# Altium PCB project_pankov_control_board.PcbDoc (part 1 of 2) (continued)
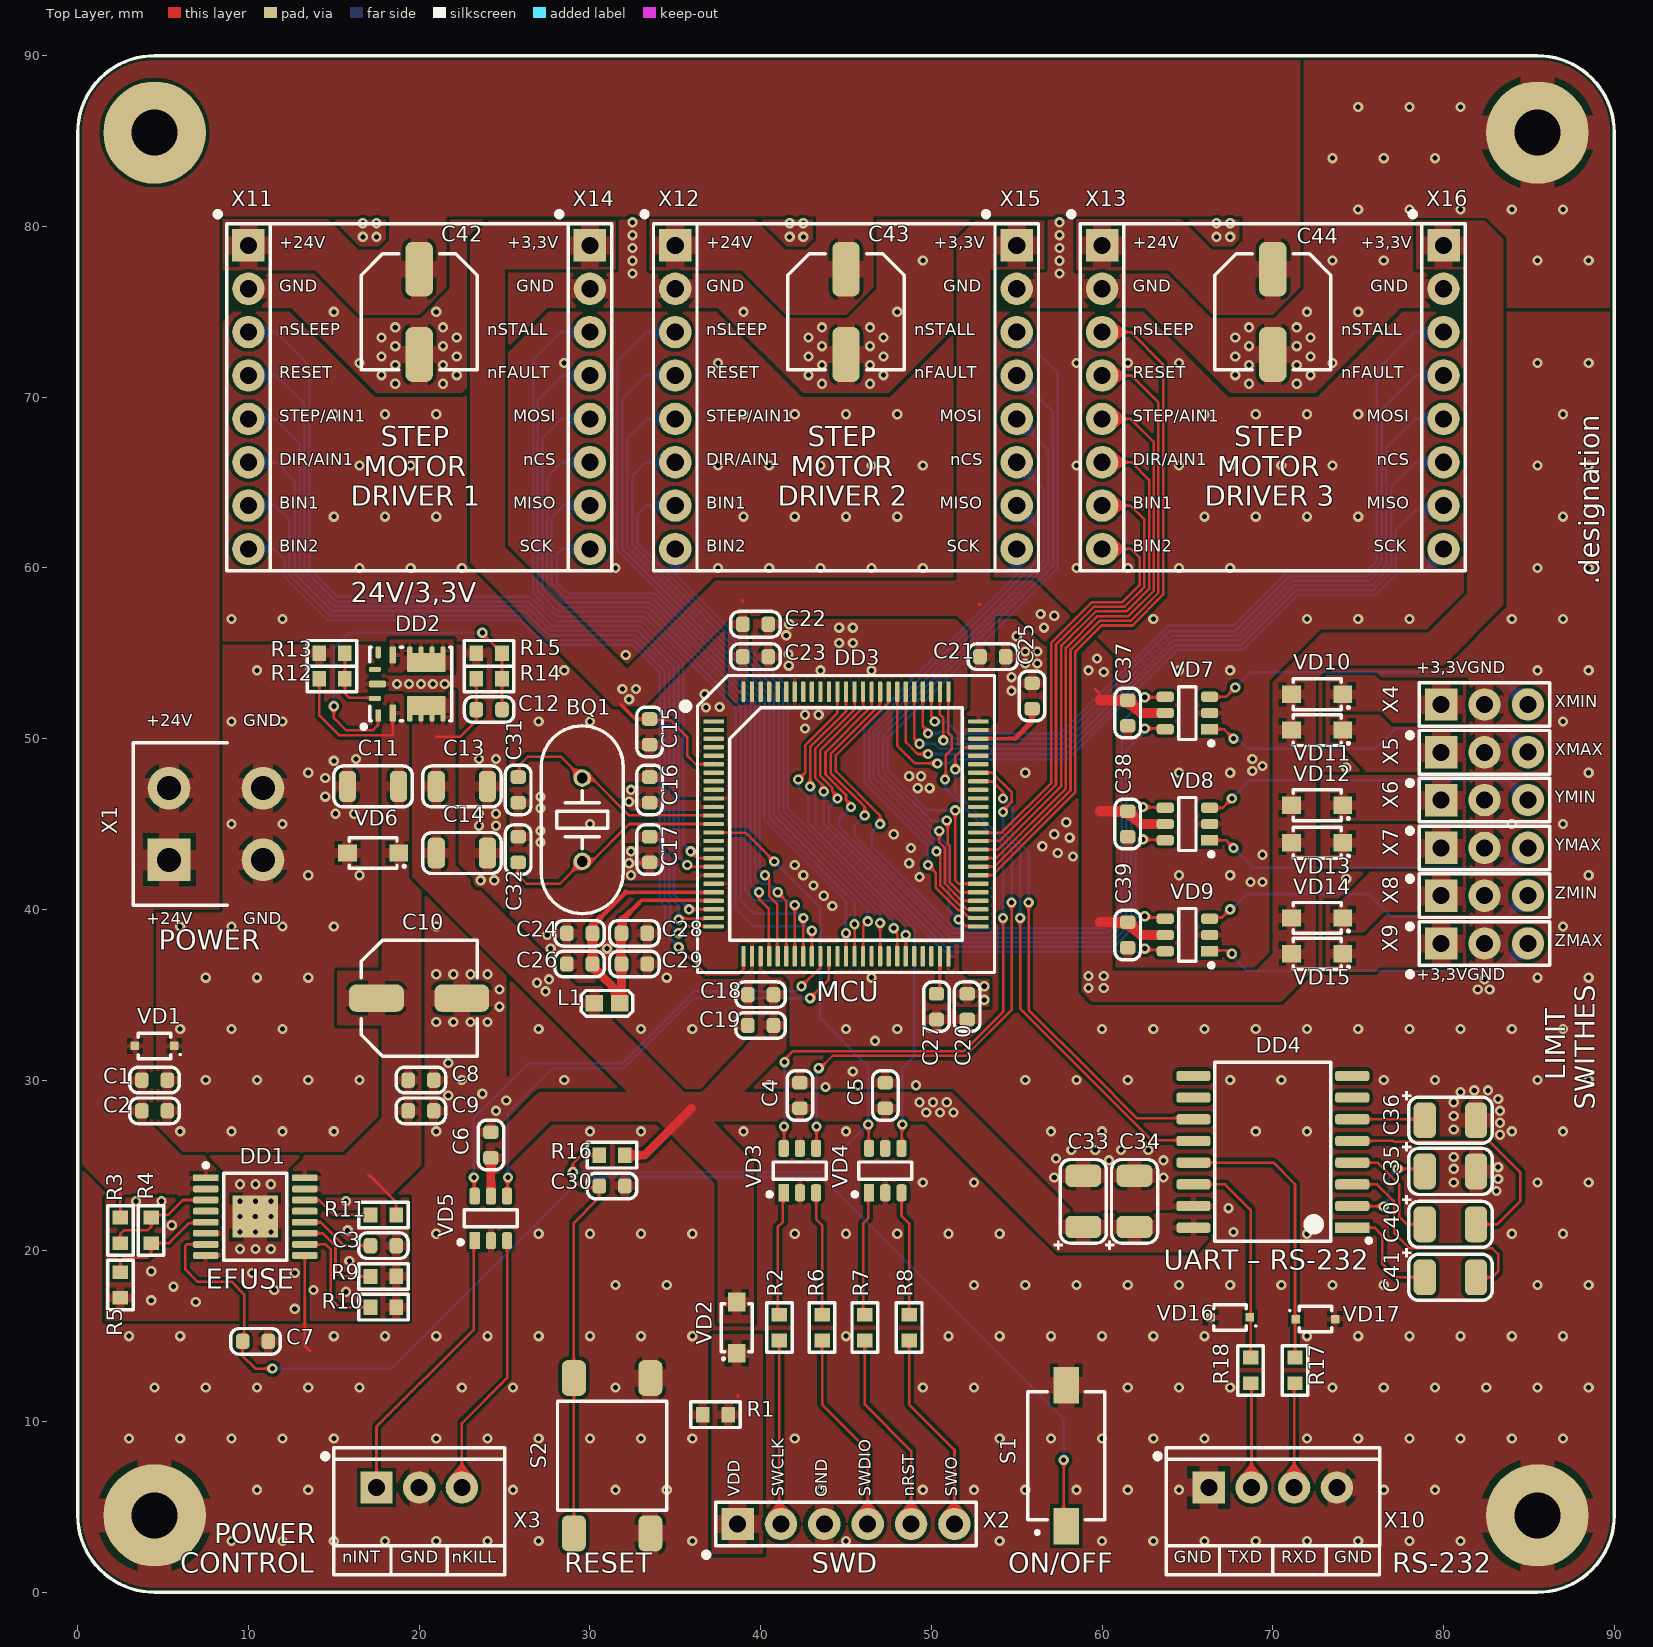
[diagram p0: Top Layer view]
## Design rules (kind name [scope] priority, off if disabled: settings) (continued)
PolygonConnect poly_connect_to_pad<=3 [(AsMM(PadXSize_AllLayers)<=3.01)or(AsMM(PadYSize_AllLayers)<=3.01)] p14: thpad.connectstyle=Relief thpad.reliefconductorwidth=1.6 thpad.reliefentries=4 thpad.polygonreliefangle="90 Angle" thpad.airgapwidth=0.3 smdpad.connectstyle=Relief smdpad.reliefconductorwidth=1.8 smdpad.reliefentries=4 smdpad.polygonreliefangle="90 Angle" smdpad.airgapwidth=0.2 via.connectstyle=Direct via.reliefconductorwidth=0.254 via.reliefentries=4 via.polygonreliefangle="90 Angle" via.airgapwidth=0.254 // Правила подключения полигонов для падов от 3мм и меньше
PolygonConnect poly_connect_to_pad<=7 [(AsMM(PadXSize_AllLayers)<7.01)or(AsMM(PadYSize_AllLayers)<=7.01)] p15: thpad.connectstyle=Relief thpad.reliefconductorwidth=2 thpad.reliefentries=4 thpad.polygonreliefangle="90 Angle" thpad.airgapwidth=0.4 smdpad.connectstyle=Relief smdpad.reliefconductorwidth=2 smdpad.reliefentries=4 smdpad.polygonreliefangle="90 Angle" smdpad.airgapwidth=0.3 via.connectstyle=Direct via.reliefconductorwidth=0.254 via.reliefentries=4 via.polygonreliefangle="90 Angle" via.airgapwidth=0.254 // Правила подключения полигонов для падов от 7мм и меньше
PolygonConnect poly_connect_to_pad [All] p16: thpad.connectstyle=Relief thpad.reliefconductorwidth=0.25 thpad.reliefentries=4 thpad.polygonreliefangle="90 Angle" thpad.airgapwidth=0.2 smdpad.connectstyle=Relief smdpad.reliefconductorwidth=0.25 smdpad.reliefentries=4 smdpad.polygonreliefangle="90 Angle" smdpad.airgapwidth=0.2 via.connectstyle=Direct via.reliefconductorwidth=0.25 via.reliefentries=4 via.polygonreliefangle="90 Angle" via.airgapwidth=0.2 // Правила подключения полигонов общие
RoutingCorners [All] p1 off: cornerstyle=45-Degree minsetback=2.5 maxsetback=2.5
RoutingVias [All] p1: holewidth=0.3 width=0.6 viastyle="Through Hole" minholewidth=0.3 minwidth=0.6 maxholewidth=5.9 maxwidth=6.4
SilkToSilkClearance silk_to_silk_clearance_std [All] p1 off: silktosilkclearance=0.15 // Отступ текста шелкографии от других примитивов шелкографии
SilkToSolderMaskClearance silk_to_solder_mask_clearance_std [IsPad] p1 off: minsilkscreentomaskgap=0.15 clearancetoexposedcopper=FALSE // Минимальное расстояние между элементами шелкографии и вскрытой медью
SolderMaskExpansion solder_mask_expansion_std [All] p1: expansion=0.05 // Припуск паяльной масски
UnRoutedNet [All] p1: checkbadconnections=TRUE
Width width_18um_std [All] p1: maxlimit=10 minlimit=0.125 preferedwidth=0.15 checkconnectedcopper=TRUE // Ширина проводников (общая)
19 further rules are at their usual default settings.

## Components (designator, comment, footprint, x,y, rotation, side; value= is the part's Value field where it differs from the comment)
BQ1 "ECS-120-20-4X" HC-49/US 29.55,45.25 r90 top
C1 "0,1 мк" C0603 4.5,30 r0 top
C2 "1 мк" C0603 4.5,28.2 r0 top
C3 "2,2 мк" C0603 17.9,20.3 r0 top
C4 "0,1 мк" C0603 42.3,29.1 r90 top
C5 "0,1 мк" C0603 47.3,29.1 r90 top
C6 "0,1 мк" C0603 24.2,26.2 r90 top
C7 "0,1 мк" C0603 10.41,14.7 r0 top
C8 "0,1 мк" C0603 20.1,30 r0 top
C9 "1 мк" C0603 20.1,28.2 r0 top
C10 "100 мк" CAPAE-660X660X800 20,34.8 r0 top
C11 "10 мк" C1206 17.3,47.2 r180 top
C12 "100" C0603 24.1,51.7 r0 top
C13 "47 мк" C1206 22.5,47.2 r0 top
C14 "47 мк" C1206 22.5,43.3 r0 top
C15 "1 мк" C0603 33.5,50.4 r270 top
C16 "0,1 мк" C0603 33.5,47 r90 top
C17 "0,1 мк" C0603 33.5,43.5 r90 top
C18 "0,1 мк" C0603 40,35 r180 top
C19 "0,1 мк" C0603 40,33.2 r180 top
C20 "0,1 мк" C0603 52.1,34.3 r270 top
C21 "0,1 мк" C0603 53.6,54.8 r0 top
C22 "0,1 мк" C0603 39.7,56.7 r0 top
C23 "0,1 мк" C0603 39.7,54.8 r0 top
C24 "1 мк" C0603 29.4,38.6 r180 top
C25 "2,2 мк" C0603 55.9,52.5 r90 top
C26 "0,01 мк" C0603 29.4,36.8 r180 top
C27 "2,2 мк" C0603 50.3,34.3 r270 top
C28 "1 мк" C0603 32.6,38.6 r0 top
C29 "0,01 мк" C0603 32.6,36.8 r0 top
C30 "0,1 мк" C0603 31.3,23.8 r0 top
C31 "20" C0603 25.8,47 r90 top
C32 "20" C0603 25.8,43.5 r270 top
C33 "1 мк" C3216-18 58.9,22.9 r90 top
C34 "0,1 мк" C3216-18 61.9,22.9 r90 top
C35 "0,1 мк" C3216-18 80.4,24.65 r0 top
C36 "0,1 мк" C3216-18 80.4,27.65 r0 top
C37 "0,1 мк" C0603 61.5,51.5 r270 top
C38 "0,1 мк" C0603 61.5,45 r270 top
C39 "0,1 мк" C0603 61.5,38.5 r270 top
C40 "0,1 мк" C3216-18 80.4,21.55 r0 top
C41 "0,1 мк" C3216-18 80.4,18.45 r0 top
C42 "100 мк" CAPAE-660X660X800 20,75 r270 top
C43 "100 мк" CAPAE-660X660X800 45,75 r270 top
C44 "100 мк" CAPAE-660X660X800 70,75 r270 top
DD1 "TPS26400PWPR" HTSSOP-16-P65-500X440X120-L63X25-T246X266 10.4,22 r0 top
DD2 "TPSM84209RKHT" QFN-FCMOD-9-P65-450X400X210 19.5,53.2 r90 top
DD3 "STM32F407VGT6" LQFP-100-P50-1400X1400X160-L60X22 45,45 r0 top
DD4 "MAX3232CDW" SOIC-16-P127-1030X750X265-L84X41 70,25.8 r180 top
L1 "BLM18KG221SH1D" BLM-2-0603 31,34.5 r180 top
R1 "10 к" R0603 37.35,10.4 r0 top
R2 "22" R0603 41.1,15.5 r90 top
R3 "270 к" R0603 2.5,21.2 r90 top
R4 "2,4 к" R0603 4.3,21.2 r90 top
R5 "13 к" R0603 2.5,18 r90 top
R6 "22" R0603 43.6,15.5 r90 top
R7 "22" R0603 46.1,15.5 r90 top
R8 "22" R0603 48.7,15.5 r90 top
R9 "24 к" R0603 17.9,18.5 r180 top
R10 "51 к" R0603 17.9,16.7 r180 top
R11 "10 к" R0603 17.9,22.1 r0 top
R12 "270 к" R0603 14.9,53.5 r180 top
R13 "16 к" R0603 14.9,55 r0 top
R14 "10 к" R0603 24.1,53.5 r180 top
R15 "2,2 к" R0603 24.1,55 r0 top
R16 "10 к" R0603 31.3,25.6 r0 top
R17 "22" R0603 71.3,13 r90 top
R18 "22" R0603 68.7,13 r90 top
S1 "SDA01H1SBD" SDA01H1SBD 57.9,8 r90 top
S2 "FSM4JSMA" FSM4JSMA 31.3,8 r90 top
VD1 "SD24C-01FTG" SOD-323-257X130X114 4.5,32 r180 top
VD2 "MBR140SFT1G" SOD-123FL-370X165X98 38.6,15.5 r90 top
VD3 "TPD2S017DBVR" SOT-23-6-P95-290X280X145 42.3,24.7 r90 top
VD4 "TPD2S017DBVR" SOT-23-6-P95-290X280X145 47.3,24.7 r90 top
VD5 "TPD2S017DBVR" SOT-23-6-P95-290X280X145 24.2,21.9 r90 top
VD6 "MBR140SFT1G" SOD-123FL-370X165X98 17.3,43.3 r180 top
VD7 "TPD2S017DBVR" SOT-23-6-P95-290X280X145 65,51.5 r180 top
VD8 "TPD2S017DBVR" SOT-23-6-P95-290X280X145 65,45 r180 top
VD9 "TPD2S017DBVR" SOT-23-6-P95-290X280X145 65,38.5 r180 top
VD10 "MBR140SFT1G" SOD-123FL-370X165X98 72.6,52.6 r180 top
VD11 "MBR140SFT1G" SOD-123FL-370X165X98 72.6,50.5 r180 top
VD12 "MBR140SFT1G" SOD-123FL-370X165X98 72.6,46.1 r180 top
VD13 "MBR140SFT1G" SOD-123FL-370X165X98 72.6,43.9 r180 top
VD14 "MBR140SFT1G" SOD-123FL-370X165X98 72.6,39.5 r180 top
VD15 "MBR140SFT1G" SOD-123FL-370X165X98 72.6,37.4 r180 top
VD16 "SD12C-01FTG" SOD-323-257X130X114 67.5,16.1 r180 top
VD17 "SD12C-01FTG" SOD-323-257X130X114 72.5,16 r0 top
X1 "4-1775099-0" 4-1775099-0 8,45 r90 top
X2 "DS1021-1x6SF11-B" DS1021-1X6SF11-B 45,4 r0 top
X3 "DS1069-3MVW6X" DS1069-3MVW6X 20,5.6 r0 top
X4 "DS1021-1x3SF11-B" DS1021-1X3SF11-B 82.4,52 r0 top
X5 "DS1021-1x3SF11-B" DS1021-1X3SF11-B 82.4,49.2 r0 top
X6 "DS1021-1x3SF11-B" DS1021-1X3SF11-B 82.4,46.4 r0 top
X7 "DS1021-1x3SF11-B" DS1021-1X3SF11-B 82.4,43.6 r0 top
X8 "DS1021-1x3SF11-B" DS1021-1X3SF11-B 82.4,40.8 r0 top
X9 "DS1021-1x3SF11-B" DS1021-1X3SF11-B 82.4,38 r0 top
X10 "DS1069-4MVW6X" DS1069-4MVW6X 70,5.6 r0 top
X11 "DS1023-1x8SF11" DS1023-1X8SF11 10,70 r270 top
X12 "DS1023-1x8SF11" DS1023-1X8SF11 35,70 r270 top
X13 "DS1023-1x8SF11" DS1023-1X8SF11 60,70 r270 top
X14 "DS1023-1x8SF11" DS1023-1X8SF11 30,70 r270 top
X15 "DS1023-1x8SF11" DS1023-1X8SF11 55,70 r270 top
X16 "DS1023-1x8SF11" DS1023-1X8SF11 80,70 r270 top

## Footprints (in the part's own frame and the unit in brackets; to place one, negate y for a bottom-side part, rotate by r counter-clockwise, add the part's x,y. Pads: shape width x height; smd on the part's side, far side on the other; paste and mask are expansions set on the pad)
4-1775099-0 [mm] "ATX Power 4 Pins Mount Header, V/A Type"
  rect 2.5x2.5 hole 1.4: 1(-2.1,2.65)
  round 2.5 hole 1.4: 2(2.1,2.65) 3(-2.1,-2.85) 4(2.1,-2.85)
  silkscreen extent -4.75,-0.75 4.75,4.75, body extent -5.1,-6.1 4.75,4.8, height 12.8
BLM-2-0603 [mm] "Chip Inductor, 2-Leads, Body 1,60x0,80mm, IPC Medium Density"
  rect 1.02x0.98 smd: 1(-0.74,0) 2(0.74,0)
  silkscreen extent -1.5,-0.75 1.5,0.75, body extent -0.8,-0.37 0.8,0.38, height 0.8
C0603 [mm] "Chip Capacitor, 2-Leads, Body 1,60x0,80mm, IPC Medium Density"
  rrect50% 0.8x0.9 smd: 1(-0.75,0) 2(0.75,0)
  silkscreen extent -1.45,-0.75 1.45,0.75, body extent -0.8,-0.4 0.8,0.4, height 0.8
C1206 [mm] "Chip Capacitor, 2-Leads, Body 3,20x1,60mm, IPC Medium Density"
  rrect50% 1x1.8 smd: 1(-1.5,0) 2(1.5,0)
  silkscreen extent -2.3,-1.2 2.3,1.2, body extent -1.6,-0.8 1.6,0.8, height 0.78
C3216-18 [mm] "Chip Tantalum Capacitor, 2-Leads, Body 3,20x1,60mm, IPC Medium Density"
  rrect50% 1.3x2.1 smd: 1(-1.5,0) 2(1.5,0)
  silkscreen extent -2.8,-1.35 2.45,1.7, body extent -1.7,-0.95 1.7,0.95, height 1.83
CAPAE-660X660X800 [mm] "Aluminum Electrolytic Capacitor, Body 6,60x6,60x8,00mm, IPC Low Density"
  rrect50% 3.2x1.6 smd: 1(-2.5,0) 2(2.5,0)
  silkscreen extent -3.4,-3.4 3.4,3.4, body extent -3.65,-3.3 3.65,3.3, height 7.7
DS1021-1X3SF11-B [mm] "PLS 3 Pins 2,54mm Plug Header V/T Type"
  rect 1.9x1.9 hole 1: 1(-2.54,0)
  round 1.9 hole 1: 2(0,0) 3(2.545,0.005)
  silkscreen extent -4.37,-1.8 3.82,1.28, body extent -3.81,-1.27 3.81,1.27, height 8.59
DS1021-1X6SF11-B [mm] "PLS 6 Pins 2,54mm Plug Header V/T Type"
  rect 1.9x1.9 hole 1: 1(-6.35,0)
  round 1.9 hole 1: 2(-3.81,0) 3(-1.27,0) 4(1.27,0) 5(3.81,0) 6(6.35,0)
  silkscreen extent -8.18,-1.8 7.62,1.27, body extent -7.62,-1.27 7.62,1.27, height 8.54
DS1023-1X8SF11 [mm] "PBS 8 Pins 2,54mm Socket Header V/T Blanking Type"
  rect 1.9x1.9 hole 1: 1(-8.89,0)
  round 1.9 hole 1: 2(-6.35,0) 3(-3.81,0) 4(-1.27,0) 5(1.27,0) 6(3.81,0) 7(6.35,0) 8(8.89,0)
  silkscreen extent -10.72,-1.8 10.17,1.28, body extent -10.16,-1.27 10.16,1.27, height 8.5
DS1069-3MVW6X [mm] "CWF 3 Pins Plug Header, Pitch 2,5mm, V/T Type"
  rect 1.9x1.9 hole 1: 1(-2.499,0.537)
  round 1.9 hole 1: 2(0.001,0.537) 3(2.501,0.537)
  silkscreen extent -5.5,-2.87 5,2.87, body extent -5,-2.87 5,2.87, height 7
DS1069-4MVW6X [mm] "CWF 4 Pins Plug Header, Pitch 2,5mm, V/T Type"
  rect 1.9x1.9 hole 1: 1(-3.75,0.538)
  round 1.9 hole 1: 2(-1.25,0.538) 3(1.25,0.538) 4(3.75,0.538)
  silkscreen extent -6.75,-2.87 6.25,2.88, body extent -6.25,-2.87 6.25,2.88, height 7
FSM4JSMA [mm]
  rrect50% 2.1x1.4 smd: 1(-4.55,2.24) 1(4.55,2.24) 2(-4.55,-2.24) 2(4.55,-2.24)
  silkscreen extent -3.2,-3.2 3.2,3.2, body extent -5,-3 5,3, height 5.13
HC-49/US [mm] "HC-49/US Quartz Crystall"
  round 1.03 hole 0.63: 1(-2.44,0) 2(2.44,0)
  silkscreen extent -5.5,-2.4 5.5,2.4, body extent -5.4,-2.3 5.4,2.3, height 3.53
HTSSOP-16-P65-500X440X120-L63X25-T246X266 [mm] "HTSSOP, 16-Leads, Body 5,00x4,40mm, Pitch 0,65mm, Thermal Pad 2,46x2,66mm, IPC Medium Density"
  rect 2.66x2.46 smd: 0(0,0)
  rect 1.5x0.4 smd: 1(-2.9,2.275)
  rrect50% 1.5x0.4 smd: 2(-2.9,1.625) 3(-2.9,0.975) 4(-2.9,0.325) 5(-2.9,-0.325) 6(-2.9,-0.975) 7(-2.9,-1.625) 8(-2.9,-2.275) 9(2.9,-2.275) 10(2.9,-1.625) 11(2.9,-0.975) 12(2.9,-0.325) 13(2.9,0.325) 14(2.9,0.975) 15(2.9,1.625) 16(2.9,2.275)
  silkscreen extent -3.02,-2.55 1.85,3.12, body extent -3.2,-2.5 3.2,2.5, height 1.2
LQFP-100-P50-1400X1400X160-L60X22 [mm] "LQFP, 100-Leads, Body 14,00x14,00mm, Pitch 0,50mm, IPC Medium Density"
  rect 1.2x0.25 smd: 1(-7.75,6)
  rrect50% 1.2x0.25 smd: 2(-7.75,5.5) 3(-7.75,5) 4(-7.75,4.5) 5(-7.75,4) 6(-7.75,3.5) 7(-7.75,3) 8(-7.75,2.5) 9(-7.75,2) 10(-7.75,1.5) 11(-7.75,1) 12(-7.75,0.5) 13(-7.75,0) 14(-7.75,-0.5) 15(-7.75,-1) 16(-7.75,-1.5) 17(-7.75,-2) 18(-7.75,-2.5) 19(-7.75,-3) 20(-7.75,-3.5) 21(-7.75,-4) 22(-7.75,-4.5) 23(-7.75,-5) 24(-7.75,-5.5) 25(-7.75,-6) 51(7.75,-6) 52(7.75,-5.5) 53(7.75,-5) 54(7.75,-4.5) 55(7.75,-4) 56(7.75,-3.5) 57(7.75,-3) 58(7.75,-2.5) 59(7.75,-2) 60(7.75,-1.5) 61(7.75,-1) 62(7.75,-0.5) 63(7.75,0) 64(7.75,0.5) 65(7.75,1) 66(7.75,1.5) 67(7.75,2) 68(7.75,2.5) 69(7.75,3) 70(7.75,3.5) 71(7.75,4) 72(7.75,4.5) 73(7.75,5) 74(7.75,5.5) 75(7.75,6)
  rrect50% 0.25x1.2 smd: 26(-6,-7.75) 27(-5.5,-7.75) 28(-5,-7.75) 29(-4.5,-7.75) 30(-4,-7.75) 31(-3.5,-7.75) 32(-3,-7.75) 33(-2.5,-7.75) 34(-2,-7.75) 35(-1.5,-7.75) 36(-1,-7.75) 37(-0.5,-7.75) 38(0,-7.75) 39(0.5,-7.75) 40(1,-7.75) 41(1.5,-7.75) 42(2,-7.75) 43(2.5,-7.75) 44(3,-7.75) 45(3.5,-7.75) 46(4,-7.75) 47(4.5,-7.75) 48(5,-7.75) 49(5.5,-7.75) 50(6,-7.75) 76(6,7.75) 77(5.5,7.75) 78(5,7.75) 79(4.5,7.75) 80(4,7.75) 81(3.5,7.75) 82(3,7.75) 83(2.5,7.75) 84(2,7.75) 85(1.5,7.75) 86(1,7.75) 87(0.5,7.75) 88(0,7.75) 89(-0.5,7.75) 90(-1,7.75) 91(-1.5,7.75) 92(-2,7.75) 93(-2.5,7.75) 94(-3,7.75) 95(-3.5,7.75) 96(-4,7.75) 97(-4.5,7.75) 98(-5,7.75) 99(-5.5,7.75) 100(-6,7.75)
  silkscreen extent -9.6,-8.7 8.7,8.7, body extent -8,-8 8,8, height 1.6
QFN-FCMOD-9-P65-450X400X210 [mm] "QFN-FCMOD, 9-Leads, Body 4,50x4,00mm, Pitch 0,65mm, IPC Medium Density"
  rect 0.7x0.3 smd: 1(-1.85,1.9)
  rrect50% 1x0.4 smd: 2(-1.7,1.05) 5(1.7,1.05)
  rrect50% 0.5x0.3 smd: 3(-1.95,-1.9) 3(-1.95,-1.25) 3(-1.95,-0.6) 3(-1.95,0.05) 4(1.95,-1.9) 4(1.95,-1.25) 4(1.95,-0.6) 4(1.95,0.05)
  rrect10% 1.125x2.25 smd: 3(-1.26,-0.925) 4(1.26,-0.925)
  rrect50% 0.7x0.3 smd: 6(1.85,1.9)
  rrect50% 0.3x0.7 smd: 7(0.85,2.1) 9(-0.85,2.1)
  rrect50% 0.4x1 smd: 8(0,1.95)
  silkscreen extent -2.62,-2.4 2.15,2.87, body extent -2,-2.25 2,2.25, height 2.1
R0603 [mm] "Chip Resistor, 2-Leads, Body 1,60x0,80mm, IPC Medium Density"
  rect 0.8x0.9 smd: 1(-0.75,0) 2(0.75,0)
  silkscreen extent -1.45,-0.75 1.45,0.75, body extent -0.77,-0.43 0.78,0.43, height 0.43
SDA01H1SBD [mm]
  rect 2.15x1.5 smd: 1(-4.125,0) 2(4.125,0)
  silkscreen extent -4.6,-2.26 3.74,2.26, body extent -4.65,-2.26 4.65,2.26, height 5.44
SOD-123FL-370X165X98 [mm] "SODFL, 2-Leads, Body 3,70x1,65mm, IPC Medium Density"
  rect 1.1x1 smd: 1(-1.5,0) 2(1.5,0)
  silkscreen extent -1.87,-0.9 1.4,0.9, body extent -1.8,-0.82 1.8,0.83, height 0.95
SOD-323-257X130X114 [mm] "SOD, 2-Leads, Body 2,57x1,30mm, IPC Medium Density"
  rect 0.5x0.5 smd: 1(-1.15,0) 2(1.15,0)
  silkscreen extent -1.55,-0.75 0.95,0.75, body extent -1.3,-0.67 1.3,0.68, height 1.1
SOIC-16-P127-1030X750X265-L84X41 [mm] "SOIC, 16-Leads, Body 10,30x7,50mm, Pitch 1,27mm, IPC Medium Density"
  rect 2x0.6 smd: 1(-4.65,4.445)
  rrect50% 2x0.6 smd: 2(-4.65,3.175) 3(-4.65,1.905) 4(-4.65,0.635) 5(-4.65,-0.635) 6(-4.65,-1.905) 7(-4.65,-3.175) 8(-4.65,-4.445) 9(4.65,-4.445) 10(4.65,-3.175) 11(4.65,-1.905) 12(4.65,-0.635) 13(4.65,0.635) 14(4.65,1.905) 15(4.65,3.175) 16(4.65,4.445)
  silkscreen extent -5.75,-5.25 3.4,5.32, body extent -5.24,-5.17 5.24,5.18, height 2.65
SOT-23-6-P95-290X280X145 [mm] "SOT-23, 6-Leads, Body 2,90x2,80mm, Pitch 0,95mm, IPC Medium Density"
  rect 1x0.6 smd: 1(-1.3,0.95)
  rrect50% 1x0.6 smd: 2(-1.3,0) 3(-1.3,-0.95) 4(1.3,-0.95) 5(1.3,0) 6(1.3,0.95)
  silkscreen extent -1.52,-1.55 0.5,1.9, body extent -1.4,-1.45 1.4,1.45, height 1.45

## Part data
BQ1: library part bq0005, "=Описание", HelpURL=https://ecsxtal.com/hc-49usx, ID=bq0005, Корпус=HC-49/US, Наименование=ECS-120-20-4X, Описание="Кварцевый резонатор 12 МГц нагрузочные конденсаторы 20 пФ", Производитель="ECS, Inc. International", Фамилия=Паньков, Частотa="12 МГц", Частота="12 МГц"
C1 C8: library part c0065, "=Описание", HelpURL=https://www.yageo.com/upload/media/product/productsearch/datasheet/mlcc/UPY-GPHC_X7R_6.3V-to-50V_20.pdf, ID=c0065, Корпус=0603, Наименование=CC0603KRX7R9BB104, Напряжение="50 В", Номинал="0,1 мк", Номинальное напряжение="50 В", Описание="Конденсатор керамический чип 0603 100 нФ 50 В ±10 %", Отклонение="±10 %", Производитель="YAGEO Corp.", Рабочие температуры="от –55 °С до +125 °С", Температурный коэффициент емкости=X7R, Фамилия=Паньков
C2 C9: library part c0095, "=Описание", HelpURL=https://www.yageo.com/upload/media/product/productsearch/datasheet/mlcc/UPY-GPHC_X7R_6.3V-to-50V_20.pdf, ID=c0095, Корпус=0603, Наименование=CC0603KRX7R9BB105, Напряжение="50 В", Номинал="1 мк", Номинальное напряжение="50 В", Описание="Конденсатор керамический чип 0603 1 мкФ 50 В ±10 %", Отклонение="±10 %", Производитель="YAGEO Corp.", Рабочие температуры="от –55 °С до +125 °С", Температурный коэффициент емкости=X7R, Фамилия=Паньков
C3: library part c0100, "=Описание", HelpURL=https://www.yageo.com/upload/media/product/productsearch/datasheet/mlcc/UPY-GPHC_X7R_6.3V-to-50V_20.pdf, ID=c0100, Корпус=0603, Наименование=CC0603KRX7R6BB225, Напряжение="10 В", Номинал="2,2 мк", Номинальное напряжение="10 В", Описание="Конденсатор керамический чип 0603 2,2 мкФ 10 В ±10 %", Отклонение="±10 %", Производитель="YAGEO Corp.", Рабочие температуры="от –55 °С до +125 °С", Температурный коэффициент емкости=X7R, Фамилия=Чернов
C4 C5 C6 C37 C38 C39: library part c0077, "=Описание", HelpURL=https://www.yageo.com/upload/media/product/productsearch/datasheet/mlcc/UPY-GPHC_X7R_6.3V-to-50V_20.pdf, ID=c0077, Корпус=0603, Наименование=CC0603KRX7R6BB104, Напряжение="10 В", Номинал="0,1 мк", Номинальное напряжение="10 В", Описание="Конденсатор керамический чип 0603 100 нФ 10 В ±10 %", Отклонение="±10 %", Производитель="YAGEO Corp.", Рабочие температуры="от –55 °С до +125 °С", Температурный коэффициент емкости=X7R, Фамилия=Паньков
C7 C30: library part c0057, "=Описание", HelpURL=https://www.yageo.com/upload/media/product/productsearch/datasheet/mlcc/UPY-GPHC_X7R_6.3V-to-50V_20.pdf, ID=c0057, Корпус=0603, Наименование=CC0603KRX7R6BB104, Напряжение="10 В", Номинал="0,1 мк", Номинальное напряжение="10 В", Описание="Конденсатор керамический чип 0603 100 нФ 10 В ±10 %", Отклонение="±10 %", Производитель="YAGEO Corp.", Рабочие температуры="от –55 °С до +125 °С", Температурный коэффициент емкости=X7R, Фамилия=Паньков
C10 C42 C43 C44: library part c0168, "=Описание", HelpURL=https://industrial.panasonic.com/ww/products/capacitors/aluminum-capacitors/aluminum-cap-smd/models/EEEFTH101XAP, ID=c0168, Корпус="CAPAE (6,6 x 6,6 x 8,0)", Наименование=EEEFTH101XAP, Напряжение="50 В", Номинал="100 мк", Номинальное напряжение="50 В", Описание="Конденсатор электролитический алюминиевый 100 мкФ 50 В ±20 %", Отклонение="±20 %", Производитель="Panasonic Corporation", Рабочие температуры="от –55 °С до +105 °С", Среднеквадратичный размах пульсации тока="0,35 А", Фамилия=Паньков, Эквивалентное последовательное сопротивление="0,34 Ом"
C11: library part c0148, "=Описание", HelpURL=https://www.yageo.com/upload/media/product/productsearch/datasheet/mlcc/UPY-GPHC_X5R_4V-to-50V_26.pdf, ID=c0148, Корпус=1206, Наименование=CC1206KKX5R9BB106, Напряжение="50 В", Номинал="10 мк", Номинальное напряжение="50 В", Описание="Конденсатор керамический чип 1206 10 мкФ 50 В ±10 %", Отклонение="±10 %", Производитель="YAGEO Corp.", Рабочие температуры="от –55 °С до +85 °С", Температурный коэффициент емкости=X5R, Фамилия=Самарин
C12: library part c0023, "=Описание", HelpURL=https://www.yageo.com/upload/media/product/productsearch/datasheet/mlcc/UPY-GP_NP0_16V-to-50V_18.pdf, ID=c0023, Корпус=0603, Наименование=CC0603FRNPO9BN101, Напряжение="50 В", Номинал=100, Номинальное напряжение="50 В", Описание="Конденсатор керамический чип 0603 100 пФ 50 В ±1 %", Отклонение="±1 %", Производитель="YAGEO Corp.", Рабочие температуры="от –55 °С до +125 °С", Температурный коэффициент емкости=C0G, Фамилия=Паньков
C13 C14: library part c0166, "=Описание", HelpURL=https://www.yageo.com/upload/media/product/productsearch/datasheet/mlcc/UPY-GPHC_X5R_4V-to-50V_26.pdf, ID=c0166, Корпус=1206, Наименование=CC1206MKX5R7BB476, Напряжение="16 В", Номинал="47 мк", Номинальное напряжение="16 В", Описание="Конденсатор керамический чип 1206 47 мкФ 16 В ±20 %", Отклонение="±20 %", Производитель="YAGEO Corp.", Рабочие температуры="от –55 °С до +85 °С", Температурный коэффициент емкости=X5R, Фамилия=Паньков
C15 C24 C28: library part c0086, "=Описание", HelpURL=https://www.yageo.com/upload/media/product/productsearch/datasheet/mlcc/UPY-GPHC_X7R_6.3V-to-50V_20.pdf, ID=c0086, Корпус=0603, Наименование=CC0603KRX7R6BB105, Напряжение="10 В", Номинал="1 мк", Номинальное напряжение="10 В", Описание="Конденсатор керамический чип 0603 1 мкФ 10 В ±10 %", Отклонение="±10 %", Производитель="YAGEO Corp.", Рабочие температуры="от –55 °С до +125 °С", Температурный коэффициент емкости=X7R, Фамилия=Паньков
C16 C17 C18 C19 C20 C21 C22 C23: library part c0054, "=Описание", HelpURL=https://www.yageo.com/upload/media/product/productsearch/datasheet/mlcc/UPY-GPHC_X7R_6.3V-to-50V_20.pdf, ID=c0054, Корпус=0603, Наименование=CC0603KRX7R6BB104, Напряжение="10 В", Номинал="0,1 мк", Номинальное напряжение="10 В", Описание="Конденсатор керамический чип 0603 100 нФ 10 В ±10 %", Отклонение="±10 %", Производитель="YAGEO Corp.", Рабочие температуры="от –55 °С до +125 °С", Температурный коэффициент емкости=X7R, Фамилия=Паньков
C25 C27: library part c0097, "=Описание", HelpURL=https://www.yageo.com/upload/media/product/productsearch/datasheet/mlcc/UPY-GPHC_X7R_6.3V-to-50V_20.pdf, ID=c0097, Корпус=0603, Наименование=CC0603KRX7R6BB225, Напряжение="10 В", Номинал="2,2 мк", Номинальное напряжение="10 В", Описание="Конденсатор керамический чип 0603 2,2 мкФ 10 В ±10 %", Отклонение="±10 %", Производитель="YAGEO Corp.", Рабочие температуры="от –55 °С до +125 °С", Температурный коэффициент емкости=X7R, Фамилия=Чернов
C26 C29: library part c0033, "=Описание", HelpURL=https://www.yageo.com/upload/media/product/productsearch/datasheet/mlcc/UPY-GPHC_X7R_6.3V-to-50V_20.pdf, ID=c0033, Корпус=0603, Наименование=CC0603KRX7R6BB103, Напряжение="10 В", Номинал="0,01 мк", Номинальное напряжение="10 В", Описание="Конденсатор керамический чип 0603 10 нФ 10 В ±10 %", Отклонение="±10 %", Производитель="YAGEO Corp.", Рабочие температуры="от –55 °С до +125 °С", Температурный коэффициент емкости=X7R, Фамилия=Паньков
C31 C32: library part c0019, "=Описание", HelpURL=https://www.yageo.com/upload/media/product/productsearch/datasheet/mlcc/UPY-GP_NP0_16V-to-50V_18.pdf, ID=c0019, Корпус=0603, Наименование=CC0603FRNPO9BN200, Напряжение="50 В", Номинал=20, Номинальное напряжение="50 В", Описание="Конденсатор керамический чип 0603 20 пФ 50 В ±1 %", Отклонение="±1 %", Производитель="YAGEO Corp.", Рабочие температуры="от –55 °С до +125 °С", Температурный коэффициент емкости=C0G, Фамилия=Паньков
C33: library part c0014, "=Описание", HelpURL=https://www.vishay.com/capacitors/list/product-40002/, ID=c0014, Корпус=3216-18, Наименование=293D105X9025A2TE3, Напряжение="25 В", Номинал="1 мк", Номинальное напряжение="25 В", Описание="Конденсатор танталовый чип 3216-18 1 мкФ 25 В ±10 %", Отклонение="±10 %", Производитель="Vishay Intertechnology, Inc.", Рабочие температуры="от –55 °С до +125 °С", Среднеквадратичный размах пульсации тока="0,10 А", Фамилия=Ларионов, Эквивалентное последовательное сопротивление="7,6 Ом"
C34 C35 C36 C40 C41: library part c0001, "=Описание", HelpURL=https://www.vishay.com/capacitors/list/product-40002/, ID=c0001, Корпус=3216-18, Наименование=293D104X9050A2TE3, Напряжение="50 В", Номинал="0,1 мк", Номинальное напряжение="50 В", Описание="Конденсатор танталовый чип 3216-18 100 нФ 50 В ±10 %", Отклонение="±10 %", Производитель="Vishay Intertechnology, Inc.", Рабочие температуры="от –55 °С до +125 °С", Среднеквадратичный размах пульсации тока="0,06 А", Фамилия=Ларионов, Эквивалентное последовательное сопротивление="19,0 Ом"
DD1: library part dd0005, "=Описание", HelpURL=https://www.ti.com/product/TPS2640, ID=dd0005, Корпус=HTSSOP-16, Максимальное напряжение="55 В", Наименование=TPS26400PWPR, Напряжение="от 4,2 В до 42 В", Описание="Защитная микросхема eFuse 42 В и 2 А", Производитель="Texas Instruments Inc.", Рабочие температуры="от –40 °С до +125 °С", Ток="от 0,1 А до 2,23 А", Фамилия=Паньков
DD2: library part dd0020, "=Описание", HelpURL=https://www.ti.com/product/TPSM84209, ID=dd0020, Входное напряжение="от 4,5 В до 28 В", Выходное напряжение="от 1,2 В до 6 В", Коммутируемый ток="до 2,5 А", Корпус=QFN-FCMOD-9, Наименование=TPSM84209RKHT, Описание="Понижающий преобразователь напряжения 28 В и 2,5 А", Производитель="Texas Instruments Inc.", Рабочие температуры="от –40 °С до +85 °С", Фамилия=Паньков, Частота переключения="от 578 кГц до 923 кГц"
DD3: library part dd0002, "=Описание", HelpURL=https://www.st.com/en/microcontrollers-microprocessors/stm32f407vg.html, ID=dd0002, Корпус=LQFP-100, Максимальная тактовая частота="168 МГц", Наименование=STM32F407VGT6, Описание="ARM Cortex-M4 32-разрядный микроконтроллер 168 МГц 1 Мбайт FLASH-памяти", Поддерживаемые интерфейсы="CAN, I2C, SDIO, I2S/SPI, UART/USART, USB", Производитель=STMicroelectronics, Рабочее напряжение="от 1,8 В до 3,6 В", Рабочие температуры="от –40 °С до +85 °С", Фамилия=Паньков
DD4: library part dd0016, "=Описание", HelpURL=https://www.ti.com/product/MAX3232, ID=dd0016, Корпус=SOIC-16, Наименование=MAX3232CDW, Описание="Приемопередатчик RS-232", Производитель="Texas Instruments Inc.", Рабочие температуры="от 0 до +70 °C", Фамилия=Паньков
L1: library part l0001, "=Описание", HelpURL=https://www.murata.com/en-global/products/productdetail?partno=BLM18KG221SH1%23, ID=l0001, Корпус=0603, Наименование=BLM18KG221SH1D, Описание="Ферритовая бусина 220 Ом ±25 %", Отклонение, 100 МГц="±25 %", Производитель="Murata Manufacturing Co., Ltd.", Рабочие температуры="от –55 °С до +125 °С", Сопротивление, 100 МГц="220 Ом", Сопротивление при постоянном токе="0,05 Ом", Фамилия=Ларионов
R1 R11 R14 R16: library part r0105, "=Описание", HelpURL=https://www.yageo.com/upload/media/product/productsearch/datasheet/rchip/PYu-RC_Group_51_RoHS_L_11.pdf, ID=r0105, Корпус=0603, Наименование=RC0603FR-0710KL, Номинал="10 к", Номинальное напряжение="75 В", Номинальный ток="1 А", Описание="Резистор чип 0603 10 кОм ±1 % 0,1 Вт", Отклонение="±1 %", Примечание="Ряд E24", Производитель="YAGEO Corp.", Рабочие температуры="от –55 °С до +155 °С", Фамилия=Самарин
R2 R6 R7 R8: library part r0034, "=Описание", HelpURL=https://www.yageo.com/upload/media/product/productsearch/datasheet/rchip/PYu-RC_Group_51_RoHS_L_11.pdf, ID=r0034, Корпус=0603, Наименование=RC0603FR-0722RL, Номинал=22, Номинальное напряжение="75 В", Номинальный ток="1 А", Описание="Резистор чип 0603 22 Ом ±1 % 0,1 Вт", Отклонение="±1 %", Примечание="Ряд E24", Производитель="YAGEO Corp.", Рабочие температуры="от –55 °С до +155 °С", Фамилия=Ларионов
R3 R12: library part r0157, "=Описание", HelpURL=https://www.yageo.com/upload/media/product/productsearch/datasheet/rchip/PYu-RC_Group_51_RoHS_L_11.pdf, ID=r0157, Корпус=0603, Наименование=RC0603FR-07270KL, Номинал="270 к", Номинальное напряжение="75 В", Номинальный ток="1 А", Описание="Резистор чип 0603 270 кОм ±1 % 0,1 Вт", Отклонение="±1 %", Примечание="Ряд E24", Производитель="YAGEO Corp.", Рабочие температуры="от –55 °С до +155 °С", Фамилия=Паньков
R4: library part r0086, "=Описание", HelpURL=https://www.yageo.com/upload/media/product/productsearch/datasheet/rchip/PYu-RC_Group_51_RoHS_L_11.pdf, ID=r0086, Корпус=0603, Наименование=RC0603FR-072K4L, Номинал="2,4 к", Номинальное напряжение="75 В", Номинальный ток="1 А", Описание="Резистор чип 0603 2,4 кОм ±1 % 0,1 Вт", Отклонение="±1 %", Примечание="Ряд E24", Производитель="YAGEO Corp.", Рабочие температуры="от –55 °С до +155 °С", Фамилия=Паньков
R5: library part r0110, "=Описание", HelpURL=https://www.yageo.com/upload/media/product/productsearch/datasheet/rchip/PYu-RC_Group_51_RoHS_L_11.pdf, ID=r0110, Корпус=0603, Наименование=RC0603FR-0713KL, Номинал="13 к", Номинальное напряжение="75 В", Номинальный ток="1 А", Описание="Резистор чип 0603 13 кОм ±1 % 0,1 Вт", Отклонение="±1 %", Примечание="Ряд E24", Производитель="YAGEO Corp.", Рабочие температуры="от –55 °С до +155 °С", Фамилия=Жернаков
R9: library part r0118, "=Описание", HelpURL=https://www.yageo.com/upload/media/product/productsearch/datasheet/rchip/PYu-RC_Group_51_RoHS_L_11.pdf, ID=r0118, Корпус=0603, Наименование=RC0603FR-0724KL, Номинал="24 к", Номинальное напряжение="75 В", Номинальный ток="1 А", Описание="Резистор чип 0603 24 кОм ±1 % 0,1 Вт", Отклонение="±1 %", Примечание="Ряд E24", Производитель="YAGEO Corp.", Рабочие температуры="от –55 °С до +155 °С", Фамилия=Паньков
R10: library part r0131, "=Описание", HelpURL=https://www.yageo.com/upload/media/product/productsearch/datasheet/rchip/PYu-RC_Group_51_RoHS_L_11.pdf, ID=r0131, Корпус=0603, Наименование=RC0603FR-0751KL, Номинал="51 к", Номинальное напряжение="75 В", Номинальный ток="1 А", Описание="Резистор чип 0603 51 кОм ±1 % 0,1 Вт", Отклонение="±1 %", Примечание="Ряд E24", Производитель="YAGEO Corp.", Рабочие температуры="от –55 °С до +155 °С", Фамилия=Паньков
R13: library part r0112, "=Описание", HelpURL=https://www.yageo.com/upload/media/product/productsearch/datasheet/rchip/PYu-RC_Group_51_RoHS_L_11.pdf, ID=r0112, Корпус=0603, Наименование=RC0603FR-0716KL, Номинал="16 к", Номинальное напряжение="75 В", Номинальный ток="1 А", Описание="Резистор чип 0603 16 кОм ±1 % 0,1 Вт", Отклонение="±1 %", Примечание="Ряд E24", Производитель="YAGEO Corp.", Рабочие температуры="от –55 °С до +155 °С", Фамилия=Паньков
R15: library part r0085, "=Описание", HelpURL=https://www.yageo.com/upload/media/product/productsearch/datasheet/rchip/PYu-RC_Group_51_RoHS_L_11.pdf, ID=r0085, Корпус=0603, Наименование=RC0603FR-072K2L, Номинал="2,2 к", Номинальное напряжение="75 В", Номинальный ток="1 А", Описание="Резистор чип 0603 2,2 кОм ±1 % 0,1 Вт", Отклонение="±1 %", Примечание="Ряд E24", Производитель="YAGEO Corp.", Рабочие температуры="от –55 °С до +155 °С", Фамилия=Паньков
R17 R18: library part r0004, "=Описание", HelpURL=https://www.yageo.com/upload/media/product/productsearch/datasheet/rchip/PYu-RC_Group_51_RoHS_L_11.pdf, ID=r0004, Корпус=0603, Наименование=RC0603FR-0722RL, Номинал=22, Номинальное напряжение="75 В", Номинальный ток="1 А", Описание="Резистор чип 0603 22 Ом ±1 % 0,1 Вт", Отклонение="±1 %", Примечание="Ряд E24", Производитель="YAGEO Corp.", Рабочие температуры="от –55 °С до +155 °С", Фамилия=Ларионов
S1: library part s0005, "=Описание", HelpURL=https://www.ckswitches.com/products/switches/product-details/DIP/SDA/SDA01H1SBD/, ID=s0005, Количество контактов=2, Корпус="4,52 х 9,30 х 5,45", Наименование=SDA01H1SBD, Описание="2-х позиционный движковый переключатель", Производитель=C&K, Промывка=Запрещена, Рабочие температуры="от –40 °С до +85 °С", Сопротивление контакта="50 мОм", Ток нагрузки="100 мА @ 5 В", Фамилия=Паньков
S2: library part s0001, "=Описание", HelpURL=https://www.te.com/usa-en/product-4-1437565-1.html, ID=s0001, Количество контактов=4, Корпус="6,00 x 6,00 x 4,98", Наименование=FSM4JSMA, Описание="Тактовая кнопка поверхностного монтажа", Производитель="TE Connectivity", Промывка=Запрещена, Рабочие температуры="от –35 °С до +85 °С", Сопротивление контакта="100 мОм", Ток нагрузки="50 мА @ 24 В", Фамилия=Паньков
VD1: library part vd0007, "=Описание", HelpURL=https://www.littelfuse.com/products/tvs-diode-arrays/general-purpose-esd-protection/sdc/sd24c_01ftg.aspx, ID=vd0007, Корпус=SOD-323, Наименование=SD24C-01FTG, Описание="Двунаправленная диодная сборка для подавления помех 24 В", Производитель="Littelfuse, Inc.", Фамилия=Игнатова
VD2 VD6 VD10 VD11 VD12 VD13 VD14 VD15: library part vd0002, "=Описание", HelpURL=https://www.onsemi.com/products/discretes-drivers/diodes-rectifiers/schottky-diodes-schottky-rectifiers/mbr140sf, ID=vd0002, Корпус=SOD-123FL, Максимальное обратное напряжение="40 В", Максимальное прямое напряжение="0,88 В", Максимальный прямой ток="1 А", Наименование=MBR140SFT1G, Описание="Диод Шоттки 40 В 1 А", Производитель="ON Semiconductor", Рабочие температуры="от –55 °С до +125 °С", Фамилия=Паньков
VD3 VD4 VD5 VD7 VD8 VD9: library part vd0016, "=Описание", HelpURL=https://www.ti.com/product/TPD2S017, ID=vd0016, Корпус=SOT-23-6, Наименование=TPD2S017DBVR, Описание="Диодная сборка для подавления помех 5 В", Производитель="Texas Instruments Inc.", Фамилия=Паньков
VD16 VD17: library part vd0004, "=Описание", HelpURL=https://www.littelfuse.com/products/tvs-diode-arrays/general-purpose-esd-protection/sdc/sd12c_01ftg.aspx, ID=vd0004, Корпус=SOD-323, Наименование=SD12C-01FTG, Описание="Двунаправленная диодная сборка для подавления помех 12 В", Производитель="Littelfuse, Inc.", Фамилия=Ларионов
X1: library part x0006, "=Описание", Contact_1=+24V, Contact_2=+24V, Contact_3=GND, Contact_4=GND, HelpURL=https://www.te.com/usa-en/product-4-1775099-0.html, ID=x0006, Наименование=4-1775099-0, Описание="ATX Power 4 pin гнездо прямой", Производитель="TE Connectivity", Фамилия=Ларионов
X2: library part x0028, "=Описание", Contact_1=+3,3V, Contact_2=SWCLK, Contact_3=GND, Contact_4=SWDIO, Contact_5=nRST, Contact_6=SWO, HelpURL=http://en.connfly.group/product/xVkr=EusQssAN0gN=Aos=mU+UrVkR9kqEAN0gN9g+WqANB+A, ID=x0028, Наименование=DS1021-1x6SF11-B, Описание="PLS 6 pin 2,54 мм вилка прямой", Производитель="Connfly Electronic Co., Ltd.", Фамилия=Паньков
X3: library part x0043, "=Описание", Contact_1=nINT, Contact_2=GND, Contact_3=nKILL, HelpURL=http://en.connfly.group/product/xVkr=EusQssAN0gN=Aos=mU+UrVkR9kqEAN0gN0MUR+g+NB+A, ID=x0043, Наименование=DS1069-3MVW6X, Описание="CWF 3 pin 2,5 мм вилка прямой", Производитель="Connfly Electronic Co., Ltd.", Фамилия=Паньков
X4 X5 X6 X7 X8 X9: library part x0026, "=Описание", Contact_1=+3,3V, Contact_2=GND, HelpURL=http://en.connfly.group/product/xVkr=EusQssAN0gN=Aos=mU+UrVkR9kqEAN0gN9g+WqANB+A, ID=x0026, Наименование=DS1021-1x3SF11-B, Описание="PLS 3 pin 2,54 мм вилка прямой", Производитель="Connfly Electronic Co., Ltd.", Фамилия=Паньков
  X4: Contact_3=XMIN
  X5: Contact_3=XMAX
  X6: Contact_3=YMIN
  X7: Contact_3=YMAX
  X8: Contact_3=ZMAX
  X9: Contact_3=ZMIN
X10: library part x0045, "=Описание", Contact_1=GND, Contact_2=TXD, Contact_3=RXD, Contact_4=GND, HelpURL=http://en.connfly.group/product/xVkr=EusQssAN0gN=Aos=mU+UrVkR9kqEAN0gN0MUR+g+NB+A, ID=x0045, Наименование=DS1069-4MVW6X, Описание="CWF 4 pin 2,5 мм вилка прямой", Производитель="Connfly Electronic Co., Ltd.", Фамилия=Паньков
X11 X12 X13 X14 X15 X16: library part x0036, "=Описание", Contact_2=GND, HelpURL=http://en.connfly.group/product/xVkr=EusQssAN0gN=Aos=mU+UrVkR9kqEAN0gN0AUCUNB+A, ID=x0036, Наименование=DS1023-1x8SF11, Описание="PBS 8 pin 2,54 мм гнездо прямой", Производитель="Connfly Electronic Co., Ltd.", Фамилия=Паньков
  X11 X12 X13: Contact_1=+24V, Contact_3=nSLEEP, Contact_4=RESET, Contact_5=STEP/AIN1, Contact_6=DIR/AIN2, Contact_7=BIN1, Contact_8=BIN2
  X14 X15 X16: Contact_1=+3,3V, Contact_3=nSTALL, Contact_4=nFAULT, Contact_5=MOSI, Contact_6=nCS, Contact_7=MISO, Contact_8=SCK

## Free pads (board coordinates)
  round 6 hole 2.7: ""(4.5,4.5) ""(4.5,85.5) ""(85.5,4.5) ""(85.5,85.5)

## Via types
v1: diameter 0.6, hole 0.3, Top Layer to Bottom Layer, tented both sides, 613 vias
v2: diameter 0.6, hole 0.3, Top Layer to Bottom Layer, 20 vias

## Nets (pads, with @x,y where several pads share a name; then routed paths per layer and width w, separated by ;. In a path a pad name is that pad's centre, name@x,y a point inside that pad or via, vN(x,y) a via of type N, cw(c..) or ccw(c..) an arc to the next point about the centre after c; other vN are vias at no path point)
+3,3V: C4.1 C5.1 C6.1 C12.1 C13.1 C14.1 C15.1 C16.1 C17.1 C18.1 C19.1 C20.1 C21.1 C22.1 C23.1 C33.1 C34.1 C37.1 C38.1 C39.1 DD2.3 DD3.6 DD3.11 DD3.19 DD3.28 DD3.50 DD3.75 DD3.100 DD4.16 L1.2 R14.2 R16.2 VD2.2 VD3.5 VD4.5 VD5.5 VD7.5 VD8.5 VD9.5 VD10.2 VD11.2 VD12.2 VD13.2 VD14.2 VD15.2 X14.1 X15.1 X16.1 | length 38.4
  Top Layer w0.15: DD2.3@19.45,51.25 19.45,51.453 19.938,51.94 DD2.3@20.425,51.94 ; DD2.3@20.1,51.25 20.1,51.615 DD2.3@20.425,51.94 ; DD2.3@20.75,51.25 20.75,51.615 DD2.3@20.425,51.94 ; 21,50.1 22.4,50.1 23.35,51.05 C12.1@23.35,51.7 R14.2@23.35,53.5 ; C6.1@24.2,25.45 C6.1@24.225,25.475 ; v1(32.3,42.7) 32.325,42.725 33.475,42.725 C17.1@33.5,42.75 C17.1@33.55,42.75 ; C16.1@33.5,46.25 C16.1@33.675,46.075 ; C15.1@33.5,51.15 33.564,51.086 34.714,51.086 35.7,50.1 35.7,49 36.2,48.5 DD3.6@37.25,48.5 DD3.6@37.175,48.575 ; DD3.11@37.175,46.075 DD3.11@37.25,46 ; 38.9,58.1 38.95,58.05 ; C23.1@38.95,54.8 C23.1@38.975,54.775 ; DD3.100@38.975,52.775 DD3.100@39,52.75 ; C18.1@40.75,35 C18.1@40.75,35.05 ; DD3.75@52.75,51 52.775,51 DD3.75@52.85,51.075 ; 52.8,57.9 52.85,57.85 ; 59.6,52.9 59.8,52.7 59.8,52.338 59.888,52.25
  Top Layer w0.2: 31.8,52 32.65,51.15 C15.1@33.5,51.15
  Top Layer w0.5: VD5.5@24.2,23.2 C6.1@24.2,25.45 ; R16.2@32.05,25.6 33.2,25.6 35.95,28.35
  Top Layer w0.6: 59.888,39.25 C39.1@61.5,39.25 62.25,38.5 VD9.5@63.7,38.5 ; 59.888,45.75 C38.1@61.5,45.75 62.25,45 VD8.5@63.7,45 ; 59.888,52.25 C37.1@61.5,52.25 62.25,51.5 VD7.5@63.7,51.5
  other v1: 49.7,28.1 50.5,28.1 51.3,28.1 49.3,28.7 50.1,28.7 50.9,28.7 53.1,34.7 27.4,35.2 59.2,35.4 60.1,35.4 53.1,35.5 26.9,35.7 27.6,35.9 59.2,36.1 60.1,36.1 32.4,42 32.4,43.4 32.3,46.3 32.4,47 32.3,52.3 31.9,52.9 32.7,52.9 60.1,53.9 59.2,54 59.7,54.7 56.6,56.5 57.2,57.2 56.4,57.3
+24V: C1.1 C2.1 C42.1 C43.1 C44.1 DD1.1 DD1.2 R3.2 VD1.2 X1.1 X1.2 X11.1 X12.1 X13.1 | length 2.3
  Top Layer w0.15: R3.2@2.5,21.95 2.5,23.95 ; 3.425,32.475 3.55,32.6 ; DD1.2@7.425,23.7 DD1.2@7.5,23.625
CONN_LIMSW_XMAX: VD7.1 X5.3 | length 20.2
  Top Layer w0.15: VD7.1@66.3,50.55 67.15,50.55 v1(67.7,50)
  Bottom Layer w0.15: v1(67.7,50) 67.922,50 68.522,49.4 76,49.4 77.2,50.6 83.55,50.6 X5.3@84.945,49.205
CONN_LIMSW_XMIN: VD7.3 X4.3 | length 20
  Top Layer w0.15: VD7.3@66.3,52.45 67.25,52.45 v1(67.8,53)
  Bottom Layer w0.15: v1(67.8,53) 68.7,53.9 83.05,53.9 X4.3@84.945,52.005
CONN_LIMSW_YMAX: VD8.1 X7.3 | length 19.8
  Top Layer w0.15: VD8.1@66.3,44.05 67.25,44.05 v1(67.7,43.6)
  Bottom Layer w0.15: v1(67.7,43.6) 68.85,42.45 83.79,42.45 X7.3@84.945,43.605
CONN_LIMSW_YMIN: VD8.3 X6.3 | length 19.8
  Top Layer w0.15: VD8.3@66.3,45.95 67.05,45.95 v1(67.6,46.5)
  Bottom Layer w0.15: v1(67.6,46.5) 68.65,47.55 83.8,47.55 X6.3@84.945,46.405
CONN_LIMSW_ZMAX: VD9.1 X9.3 | length 19.9
  Top Layer w0.15: VD9.1@66.3,37.55 66.35,37.6 67.278,37.6 67.478,37.4 v1(67.6,37.4)
  Bottom Layer w0.15: v1@67.5,37.4 68.5,36.4 83.34,36.4 X9.3@84.945,38.005
CONN_LIMSW_ZMIN: VD9.3 X8.3 | length 20.3
  Top Layer w0.15: VD9.3@66.3,39.45 66.375,39.525 67.025,39.525 v1(67.5,40)
  Bottom Layer w0.15: v1(67.5,40) 67.6,40 68.5,40.9 75.6,40.9 76.9,39.6 83.74,39.6 X8.3@84.945,40.805
CONN_nINT: VD5.1 X3.1 | length 16.8
  Top Layer w0.15: X3.1@17.501,6.137 17.501,9.701 23.2,15.4 23.2,20.55 VD5.1@23.25,20.6
CONN_nKILL: VD5.3 X3.3 | length 15.6
  Top Layer w0.15: X3.3@22.501,6.137 22.501,9.901 25.15,12.55 VD5.3@25.15,20.6
CONN_nRST: R7.1 X2.5 | length 12
  Top Layer w0.15: R7.1@46.1,14.9 46.1,11 48.815,8.285 48.815,4.005 X2.5@48.81,4
CONN_RS232_RXD: DD4.13 R17.2 VD17.1 | length 16.6
  Top Layer w0.15: DD4.13@65.35,25.165 70.035,25.165 71.3,23.9 R17.2@71.3,13.75
CONN_RS232_TXD: DD4.14 R18.2 VD16.1 | length 12.6
  Top Layer w0.15: DD4.14@65.35,23.895 67.205,23.895 68.7,22.4 R18.2@68.7,13.75
CONN_SWCLK: R2.1 X2.2 | length 10.9
  Top Layer w0.15: X2.2@41.09,4 R2.1@41.09,14.85
CONN_SWDIO: R6.1 X2.4 | length 12
  Top Layer w0.15: R6.1@43.6,14.85 43.6,11 46.27,8.33 X2.4@46.27,4
CONN_SWO: R8.1 X2.6 | length 12
  Top Layer w0.15: R8.1@48.7,14.85 48.7,11 51.355,8.345 51.355,4.005 X2.6@51.35,4
GND: C1.2 C2.2 C4.2 C5.2 C6.2 C7.2 C8.2 C9.2 C10.2 C11.2 C13.2 C14.2 C15.2 C16.2 C17.2 C18.2 C19.2 C20.2 C21.2 C22.2 C23.2 C24.2 C25.2 C26.2 C27.2 C28.2 C29.2 C30.2 C31.1 C32.1 C33.2 C34.2 C35.2 C36.2 C37.2 C38.2 C39.2 C42.2 C43.2 C44.2 DD1.9 DD2.8 DD3.10 DD3.20 DD3.27 DD3.74 DD3.94 DD3.99 DD4.15 pad. R1.1 R13.1 R15.1 S1.2 S2.2 VD1.1 VD3.2 VD4.2 VD5.2 VD6.2 VD7.2 VD8.2 VD9.2 VD16.2 VD17.2 X1.3 X1.4 X2.3 X3.2 X4.2 X5.2 X6.2 X7.2 X8.2 X9.2 X10.1 X10.4 X11.2 X12.2 X13.2 X14.2 X15.2 X16.2 | length 5.7
  Top Layer w0.15: DD1.9@13.3,19.725 13.3,14.435 13.61,14.125
  other v1: 9,3 12,3 15,3 18,3 21,3 24,3 27,3 36,3 45,3 54,3 60,3 63,3 66,3 69,3 72,3 75,3 78,3 81,3 10.5,6 13.5,6 25.5,6 31.5,6 34.5,6 43.5,6 49.5,6 52.5,6 55.5,6 58.5,6 61.5,6 64.5,6 76.5,6 79.5,6 3,9 6,9 9,9 12,9 15,9 21,9 24,9 27,9 30,9 33,9 36,9 42,9 54,9 57,9 60,9 63,9 66,9 72,9 75,9 78,9 81,9 84,9 87,9 4.5,12 7.5,12 10.5,12 13.5,12 16.5,12 22.5,12 25.5,12 31.5,12 49.5,12 52.5,12 61.5,12 64.5,12 67.5,12 73.5,12 76.5,12 79.5,12 82.5,12 85.5,12 88.5,12 3,15 6,15 15,15 18,15 21,15 24,15 27,15 30,15 33,15 36,15 45,15 51,15 54,15 57,15 60,15 63,15 66,15 72,15 75,15 78,15 81,15 84,15 87,15 31.5,18 34.5,18 52.5,18 55.5,18 58.5,18 61.5,18 64.5,18 67.5,18 70.5,18 73.5,18 76.5,18 85.5,18 88.5,18 21,21 27,21 30,21 33,21 36,21 42,21 45,21 48,21 51,21 54,21 72,21 84,21 87,21 67.7,21.1 67.4,22.5 83.1,23.5 49.5,24 52.5,24 80.6,24 85.5,24 88.5,24 83.2,24.2 57.2,24.3 63.6,24.3 80.6,24.8 83.2,24.9 60.4,25.3 63.6,25.3 57.3,25.4 80.6,25.5 58.2,25.9 59.6,25.9 61.1,25.9 62.7,25.9 83.3,26.8 6,27 9,27 12,27 15,27 21,27 30,27 33,27 39,27 45,27 57,27 60,27 69,27 72,27 84,27 87,27 80.6,27.1 83.3,27.5 80.6,27.9 24.5,28.2 83.3,28.2 80.6,28.7 25.1,28.8 83.2,28.9 21.7,29.1 23.7,29.2 81,29.3 81.8,29.4 82.6,29.4 43.8,29.6 40.5,29.7 45.7,29.7 49.1,29.7 7.5,30 10.5,30 13.5,30 16.5,30 22.5,30 28.5,30 55.5,30 58.5,30 61.5,30 67.5,30 70.5,30 76.5,30 79.5,30 85.5,30 88.5,30 45.4,30.5 21.7,31 46.7,32.3 6,33 9,33 12,33 27,33 33,33 36,33 45,33 48,33 60,33 63,33 66,33 69,33 72,33 75,33 78,33 81,33 84,33 87,33 21,33.4 22,33.4 23,33.4 24,33.4 24.7,34.3 24.7,35.3 82,35.3 82.7,35.3 82.4,35.9 7.5,36 10.5,36 13.5,36 34.5,36 46.5,36 85.5,36 88.5,36 21,36.2 22,36.2 23,36.2 24,36.2 27.7,37.7 31,37.7 27.5,38.5 6,39 9,39 12,39 15,39 21,39 87,39 44.2,40.2 43.7,40.8 43.1,41.4 68.7,41.6 69.4,41.6 23.6,41.7 24.4,41.7 74.3,41.8 49.3,41.9 13.5,42 16.5,42 42.5,42 64.5,42 67.5,42 88.5,42 42,42.6 48.7,42.7 58.3,43.1 69.4,43.2 57.4,43.3 48.8,43.6 56.5,43.7 27.1,43.925 58.1,44.2 47.8,44.4 57.2,44.4 27.1,44.6 23.5,44.9 24.5,44.9 9,45 12,45 30,45 84,45 87,45 57.9,45.1 15.1,45.6 16.2,45.6 23.5,45.6 24.5,45.6 27.1,45.925 14.5,46.6 27.1,46.6 49.2,47.1 49.9,47.1 14.5,47.7 48.7,47.8 49.4,47.8 13.5,48 55.5,48 64.5,48 67.5,48 88.5,48 68.8,48.1 74.3,48.3 69.4,48.4 15,48.7 16.3,48.8 23.5,48.8 24.5,48.8 68.8,48.8 42.6,50.6 9,51 12,51 27,51 30,51 87,51 42.6,51.4 43.4,51.4 36.8,51.825 37.6,51.85 36.725,52.6 54.7,52.8 54.7,53.6 10.5,54 28.5,54 43.5,54 46.5,54 64.5,54 67.5,54 85.5,54 88.5,54 41.65,54.275 55.5,54.4 56.2,54.4 32.1,54.9 41.625,54.95 55.5,55.1 56.2,55.1 44.6,55.6 45.4,55.6 55,56 41.5,56.05 44.6,56.5 45.4,56.5 41.675,56.7 9,57 12,57 63,57 72,57 75,57 78,57 84,57 87,57 16.5,60 19.5,60 22.5,60 31.5,60 37.5,60 40.5,60 43.5,60 46.5,60 49.5,60 58.5,60 61.5,60 64.5,60 67.5,60 85.5,60 88.5,60 15,63 18,63 21,63 39,63 42,63 45,63 48,63 66,63 69,63 72,63 75,63 87,63 16.5,66 19.5,66 37.5,66 40.5,66 43.5,66 46.5,66 49.5,66 58.5,66 64.5,66 67.5,66 70.5,66 73.5,66 85.5,66 88.5,66 15,69 18,69 21,69 39,69 42,69 45,69 48,69 66,69 69,69 72,69 75,69 87,69 18.6,70.79 21.4,70.79 43.6,70.79 46.4,70.79 68.6,70.79 71.4,70.79 17.8,71.29 22.2,71.29 42.8,71.29 47.2,71.29 67.8,71.29 72.2,71.29 18.6,71.89 21.4,71.89 43.6,71.89 46.4,71.89 68.6,71.89 71.4,71.89 16.5,72 28.5,72 37.5,72 58.5,72 61.5,72 64.5,72 73.5,72 85.5,72 88.5,72 17.8,72.39 22.2,72.39 42.8,72.39 47.2,72.39 67.8,72.39 72.2,72.39 18.6,72.99 21.4,72.99 43.6,72.99 46.4,72.99 68.6,72.99 71.4,72.99 17.8,73.49 22.2,73.49 42.8,73.49 47.2,73.49 67.8,73.49 72.2,73.49 18.6,74.09 21.4,74.09 43.6,74.09 46.4,74.09 68.6,74.09 71.4,74.09 15,75 21,75 39,75 48,75 72,75 75,75 32.5,77.24 57.5,77.24 32.5,77.99 57.5,77.99 49.5,78 73.5,78 76.5,78 85.5,78 88.5,78 32.5,78.74 57.5,78.74 16.7,79.39 17.5,79.39 41.7,79.39 42.5,79.39 66.7,79.39 67.5,79.39 32.5,79.49 57.5,79.49 16.7,80.19 17.5,80.19 41.7,80.19 42.5,80.19 66.7,80.19 67.5,80.19 32.5,80.24 57.5,80.24 75,81 78,81 81,81 84,81 87,81 73.5,84 76.5,84 79.5,84 75,87 78,87 81,87
  other v2: 18.7,53.2 19.4,53.2 20.1,53.2 20.8,53.2 21.5,53.2